# Altium PCB laser_board.PcbDoc (part 2 of 2)
Units mil, origin at the board's own origin, x right, y up, seen from the top; angles counter-clockwise.
Board outline 2420 x 3330 mil, 4 copper layers (Top Layer, Mid Layer 1, Mid Layer 2, Bottom Layer), stack 61.811 mil thick; 141 components, 94 nets, 491 pads, 219 vias.
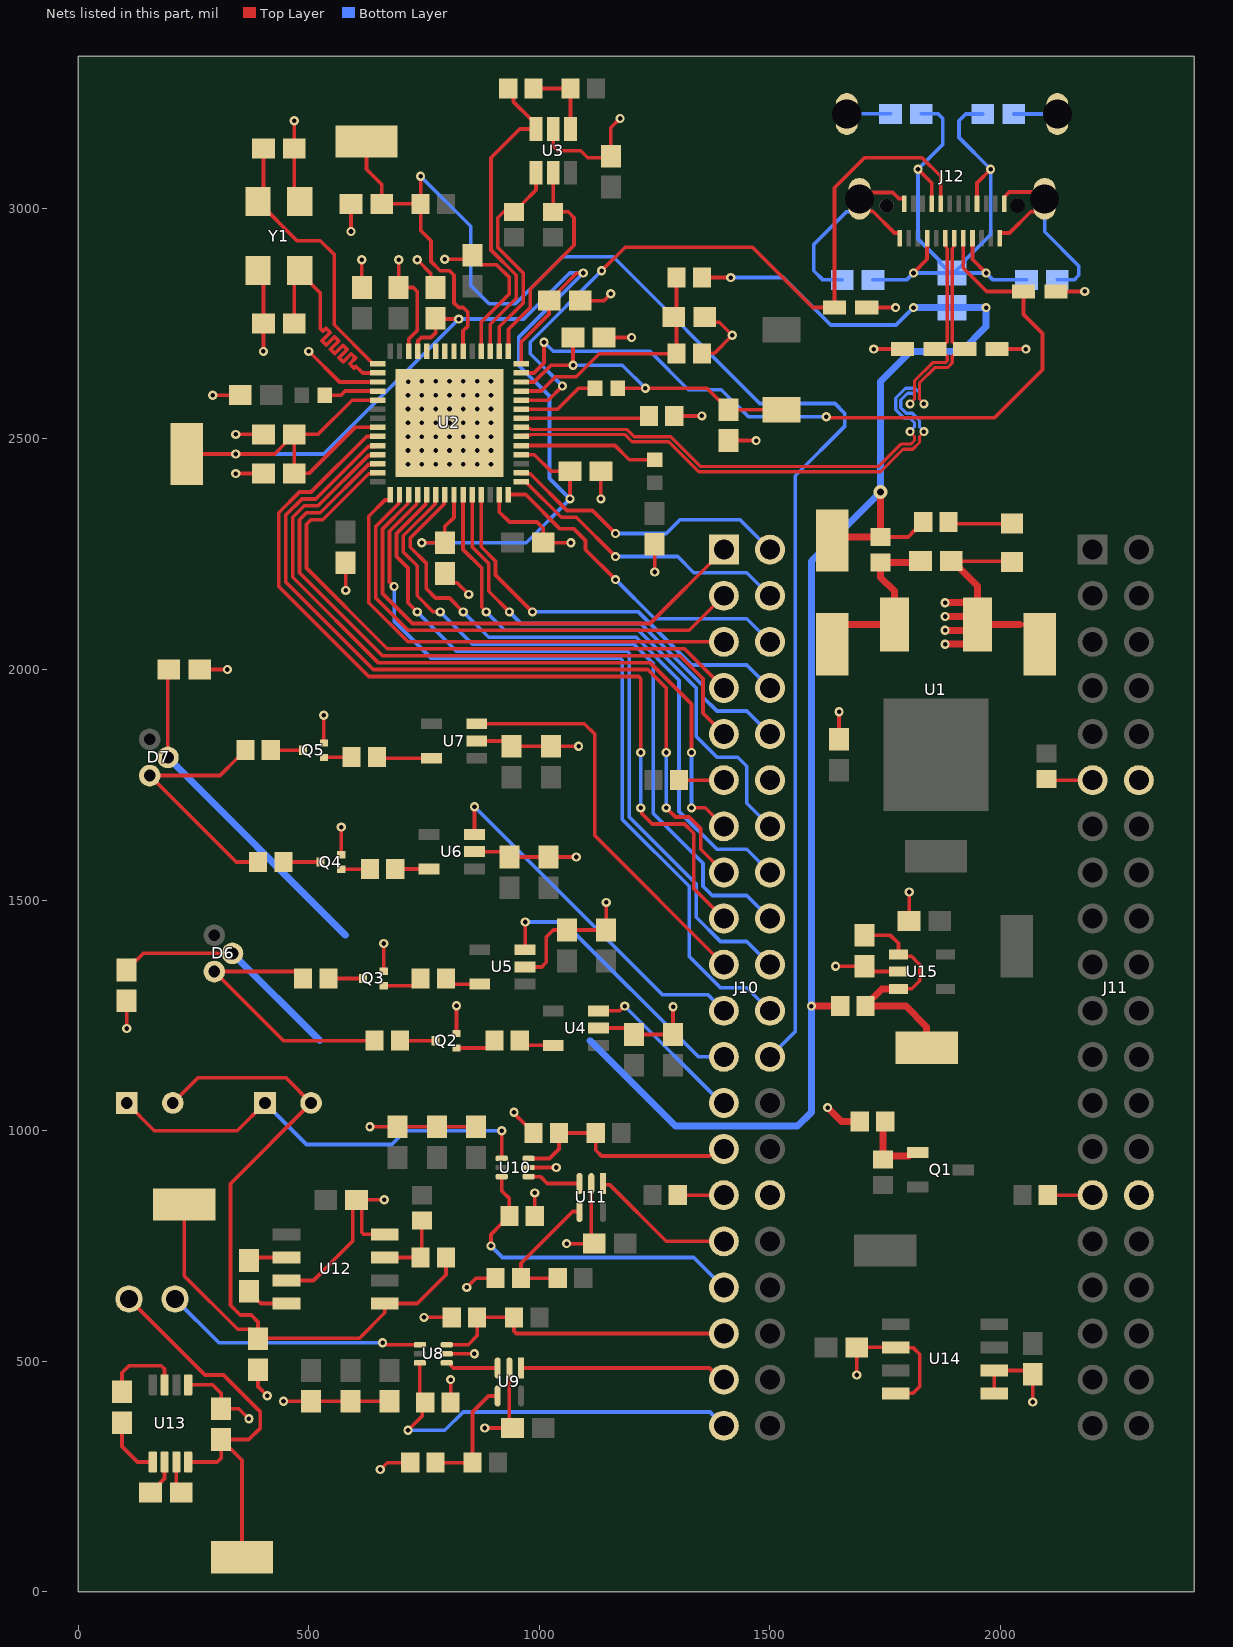
[diagram p4: the nets of this part, all layers, seen from the top]

## Via types
v1: diameter 20, hole 10, Top Layer to Bottom Layer, 218 vias
v2: diameter 30, hole 15, Top Layer to Bottom Layer, 1 vias

## Nets (pads, with @x,y where several pads share a name; then routed paths per layer and width w, separated by ;. In a path a pad name is that pad's centre, name@x,y a point inside that pad or via, vN(x,y) a via of type N, cw(c..) or ccw(c..) an arc to the next point about the centre after c; other vN are vias at no path point) (continued)
9V: C33.1 C38.1 D6.2 D7.3 J2.1 L1.2 R1.1 R2.1 R3.1 R7.1 | length 4835.2
  Top Layer w8: C33.1@105,1348.46 105,1351.42 122.65,1369.07 125.61,1369.07 140.91,1384.37 D6.2@334.37,1384.37 ; C38.1@186.93,2005 194.37,1997.56 D7.3@194.37,1809.37 ; R7.1@1352.56,2850 v1(1415.1,2850) ; J2.1@1635,2280 J2.1@1642.56,2287.56 ; R1.1@1740,2287.56 1800,2287.56 1814.79,2302.35 1816.76,2302.35 1832.44,2318.03 R2.1@1832.44,2320
  Top Layer w15: v1(1589.9,1270) R3.1@1652.44,1270 ; J2.1@1642.56,2287.56 R1.1@1740,2287.56 v2(1740,2385)
  Bottom Layer w8: v1(1415.1,2850) 1529,2850 1632,2747 1773.34,2747 v1(1811.34,2785)
  Bottom Layer w15: D7.3@194.37,1809.37 580,1423.74 ; D6.2@334.37,1384.37 523.74,1195 ; 1110,1195 1295,1010 1560,1010 1589.9,1039.9 v1(1589.9,1270) 1589.9,2234.9 v2(1740,2385) 1740,2625 1805,2690 1915,2690 1968.82,2743.82 v1(1968.82,2785) L1.2@1898.94,2785 ; v1(1811.34,2785) L1.2@1891.06,2785
-2V5: C53.2 D9.2 D10.2 J15.1 R37.1 U12.5 | length 1852.2
  Top Layer w8: D9.2@205,1060 260,1115 450,1115 D10.2@505,1060 330,885 330,621.54 351.54,600 375,600 390,585 C53.2@390,551.42 ; J15.1@230,840 230,685 345.93,569.07 372.35,569.07 C53.2@390,551.42 ; C53.2@390,548.46 C53.2@390,550 ; R37.1@797.56,725 797.56,687.56 735,625 U12.5@665,625 664.89,624.89 664.89,604.89 610,550 C53.2@390,550 ; C53.2@390,550 C53.2@390,551.42
-10V: C55.2 D8.1 J14.1 U13.4 | length 904.5
  Top Layer w8: D8.1@110,635 275,470 315,470 395,390 395,355 370,330 C55.2@310,330 C55.2@310,327.05 ; U13.4@238.39,281.34 301.34,281.34 310,290 C55.2@310,327.05 ; J14.1@355,75 355,285 330.61,309.39 327.65,309.39 C55.2@310,327.05
ACBUS0: J10.22 U2.32 | length 1760.4
  Top Layer w8: v1(685,2180) 675,2190 675,2300 734.2,2359.2 734.2,2377.58 U2.32@736.1,2379.49
  Bottom Layer w8: v1(685,2180) 685,2105 765,2025 1175.31,2025 1180,2020.31 1180,1675 1325,1530 1325,1377.75 1392.75,1310 1450,1310 J10.22@1500,1260
ACBUS1: J10.20 U2.33 | length 1632.7
  Top Layer w8: v1(735,2125) 715,2145 715,2220 690,2245 690,2295 753.88,2358.88 753.88,2377.58 U2.33@755.79,2379.49
  Bottom Layer w8: v1(735,2125) 820,2040 1190.31,2040 1195,2035.31 1195,1680 1340,1535 1340,1462.75 1392.75,1410 1450,1410 J10.20@1500,1360
ACBUS2: J10.18 U2.34 | length 1535.7
  Top Layer w8: U2.34@775.47,2379.49 773.57,2377.58 773.57,2358.57 705,2290 705,2255 735,2225 735,2160 770,2125 v1(785,2125)
  Bottom Layer w8: v1(785,2125) 855,2055 1205,2055 1247,2013 1247,1688 1355,1580 1355,1530 1375,1510 1450,1510 J10.18@1500,1460
ACBUS3: J10.16 U2.35 | length 1416.8
  Top Layer w8: U2.35@795.16,2379.49 793.25,2377.58 793.25,2358.25 720,2285 720,2265 755,2230 755,2175 775,2155 805,2155 v1(835,2125)
  Bottom Layer w8: v1(835,2125) 890,2070 1210,2070 1303,1977 1303,1692 1385,1610 1450,1610 J10.16@1500,1560
ACBUS4: J10.14 U2.37 | length 1191.4
  Top Layer w8: U2.37@834.53,2379.49 834.53,2260.47 875,2220 875,2135 v1(885,2125)
  Bottom Layer w8: v1(885,2125) 925,2085 1215,2085 1340,1960 1340,1855 1385,1810 1430,1810 1450,1790 1450,1710 J10.14@1500,1660
ACBUS5: J10.10 U2.38 | length 977.4
  Top Layer w8: U2.38@854.21,2379.49 854.21,2265.79 890,2230 890,2170 v1(935,2125)
  Bottom Layer w8: v1(935,2125) 960,2100 1220,2100 1355,1965 1355,1940 1385,1910 1450,1910 J10.10@1500,1860
ACBUS6: J10.8 U2.39 | length 883.9
  Top Layer w8: U2.39@873.9,2379.49 873.9,2266.1 905,2235 905,2205 v1(985,2125)
  Bottom Layer w8: v1(985,2125) 1215,2125 1330,2010 1450,2010 J10.8@1500,1960
ACBUS7: J10.6 U2.42 | length 711.1
  Top Layer w8: U2.42@932.95,2379.49 970.51,2379.49 1045,2305 1075,2305 1100,2280 1100,2260 v1(1165,2195)
  Bottom Layer w8: v1(1165,2195) 1250,2110 1450,2110 J10.6@1500,2060
ACBUS8: J10.4 U2.43 | length 642.4
  Top Layer w8: U2.43@960.51,2407.05 971.34,2407.05 973.24,2405.14 973.24,2404.21 1047.46,2330 1080,2330 v1(1165,2245)
  Bottom Layer w8: v1(1165,2245) 1300,2245 1335,2210 1450,2210 J10.4@1500,2160
ACBUS9: J10.2 U2.44 | length 633.4
  Top Layer w8: U2.44@960.51,2426.73 962.42,2424.83 980.17,2424.83 1060,2345 1115,2345 v1(1165,2295)
  Bottom Layer w8: v1(1165,2295) 1275,2295 1305,2325 1435,2325 J10.2@1500,2260
ADBUS0: J10.17 U2.23 | length 1946.6
  Top Layer w8: U2.23@649.49,2505.47 625.47,2505.47 505,2385 480,2385 435,2340 435,2180 630,1985 1215.31,1985 1220,1980.31 v1(1220,1820) ; v1(1220,1700) 1222.3,1697.7 1222.3,1687.7 1245,1665 1315,1665 1335,1645 1335,1525 J10.17@1400,1460
  Bottom Layer w8: v1(1220,1700) v1(1220,1820)
ADBUS1: J10.15 U2.24 | length 1796.5
  Top Layer w8: U2.24@649.49,2485.79 647.58,2483.88 628.88,2483.88 515,2370 485,2370 450,2335 450,2190 640,2000 1235,2000 1275,1960 v1(1275,1820) ; v1@1275.06,1699.94 1295,1680 1325,1680 1350,1655 1350,1610 J10.15@1400,1560
  Bottom Layer w8: v1(1275,1700) v1(1275,1820)
ADBUS2: J10.13 U2.25 | length 1661.3
  Top Layer w8: U2.25@649.49,2466.1 647.58,2464.2 629.2,2464.2 520,2355 490,2355 465,2330 465,2200 650,2015 1240,2015 1330,1925 v1(1330,1820) ; v1(1330,1700) 1360,1700 J10.13@1400,1660
  Bottom Layer w8: v1(1330,1700) v1(1330,1820)
ADBUS3: J10.9 U2.26 | length 1443.7
  Top Layer w8: U2.26@649.49,2446.42 647.58,2444.51 629.51,2444.51 525,2340 495,2340 480,2325 480,2210 660,2030 1305,2030 1355,1980 1355,1905 J10.9@1400,1860
ADBUS4: J10.7 U2.27 | length 1308.5
  Top Layer w8: U2.27@649.49,2426.73 647.58,2424.83 629.83,2424.83 530,2325 505,2325 495,2315 495,2220 670,2045 1315,2045 J10.7@1400,1960
ADBUS5: J10.5 U2.29 | length 1065
  Top Layer w8: U2.29@677.05,2379.49 677.05,2369.59 675.14,2367.68 665.24,2367.68 630,2332.44 630,2145 715,2060 J10.5@1400,2060
ADBUS6: J10.3 U2.30 | length 1061
  Top Layer w8: U2.30@696.73,2379.49 694.83,2377.58 694.83,2359.83 645,2310 645,2155 715,2085 1325,2085 J10.3@1400,2160
ADBUS7: J10.1 U2.31 | length 1071.1
  Top Layer w8: U2.31@716.42,2379.49 714.51,2377.58 714.51,2359.51 660,2305 660,2165 725,2100 1240,2100 J10.1@1400,2260
D_N: D5.1 J12.A7 U2.48 | length 1557
  Top Layer w6.89: U2.48@960.51,2505.47 962.97,2507.93 980.54,2507.93 982.48,2509.87 1185.13,2509.87 1200.89,2494.11 1280.49,2494.11 1345.49,2429.11 1739.81,2429.11 1788.59,2477.89 1810.04,2477.89 1824.44,2492.29 1824.44,2505.41 1834,2514.96 v1(1834,2516) ; v1(1804,2576) 1804,2577.04 1813.56,2586.59 1813.56,2626.18 1853.05,2665.67 1880.6,2665.67 1884.63,2669.7 1884.63,2679.45 1880.6,2683.48 1869.13,2683.48 D5.1@1857.62,2695 1869.13,2706.52 1880.6,2706.52 1884.63,2710.55 1884.63,2742.11 1884.63,2912.99 1881.79,2915.84 1881.79,2933.48 J12.A7@1880.24,2935.04
  Bottom Layer w6.89: v1(1804,2576) 1804,2577.04 1813.56,2586.59 1813.56,2595.2 1809.52,2599.24 1798.48,2599.24 1783.66,2584.42 1783.66,2567.58 1795.58,2555.66 1808.49,2555.66 1824.44,2539.71 1824.44,2526.59 1834,2517.04 v1(1834,2516)
D_P: D4.1 J12.A6 U2.49 | length 1575
  Top Layer w6.89: U2.49@960.51,2525.16 962.97,2522.7 980.54,2522.7 982.48,2520.76 1189.64,2520.76 1205.4,2505 1285,2505 1350,2440 1735.3,2440 1784.07,2488.78 1805.53,2488.78 1813.56,2496.8 1813.56,2505.41 1804,2514.96 v1(1804,2516) ; v1(1834,2576) 1834,2577.04 1824.44,2586.59 1824.44,2621.67 1857.56,2654.78 1885.11,2654.78 1895.52,2665.19 1895.52,2679.45 1899.56,2683.48 1911.02,2683.48 D4.1@1922.54,2695 1911.02,2706.52 1899.56,2706.52 1895.52,2710.55 1895.52,2737.6 1895.52,2912.99 1898.37,2915.84 1898.37,2933.48 J12.A6@1899.92,2935.04
  Bottom Layer w6.89: v1(1804,2516) 1804,2517.04 1813.56,2526.59 1813.56,2535.2 1803.98,2544.78 1791.07,2544.78 1772.77,2563.07 1772.77,2588.93 1793.97,2610.13 1814.03,2610.13 1824.44,2599.71 1824.44,2586.59 1834,2577.04 v1(1834,2576)
EEPROM_CLK: R12.2 U2.2 U3.4 | length 480
  Top Layer w8: U2.2@913.27,2690.51 913.27,2743.27 965,2795 965,2860 910,2915 910,2980 922.56,2992.56 R12.2@945,2992.56 946.97,2992.56 962.65,3008.24 962.65,3010.21 992.6,3040.16 U3.4@992.6,3077.76
EEPROM_CS: R13.2 U2.1 U3.5 | length 483.7
  Top Layer w8: U2.1@932.95,2690.51 932.95,2737.95 980,2785 980,2825 1075,2920 1075,2980 1062.44,2992.56 R13.2@1030,2992.56 U3.5@1030,3077.76
EEPROM_DI: R9.1 U2.3 U3.3 | length 702.7
  Top Layer w8: U2.3@893.58,2690.51 893.58,2748.58 950,2805 950,2855 895,2910 895,3110 957.24,3172.24 U3.3@992.6,3172.24 992.6,3184.06 982.82,3193.83 981.17,3193.83 943.97,3231.03 943.97,3248.47 R9.1@932.44,3260
EEPROM_DO: R9.2 R11.2 U3.1 | length 167.6
  Top Layer w8: R9.2@987.56,3260 R11.2@1067.44,3260 R11.2@1067.44,3260 U3.1@1067.4,3172.24
GND: C1.1 C2.1 C3.1 C4.1 C5.2 C6.2 C7.2 C8.2 C9.2 C10.1 C11.1 C12.2 C13.2 C14.2 C15.2 C16.2 C17.2 C20.2 C21.2 C22.2 C23.2 C24.2 C25.2 C28.2 C29.2 C30.2 C31.2 C32.2 C33.2 C34.1 C35.1 C36.1 C37.1 C38.2 C39.1 C40.1 C41.1 C42.1 C43.1 C44.1 C45.1 C46.1 C47.1 C48.1 C49.1 C50.1 C51.1 C53.1 C55.1 C57.1 C58.1 D2.2 D3.2 D4.2 D5.2 J4.1 J10.12 J10.30 J11.12 J11.30 J12.1 J12.2 J12.3 J12.4 J12.A1 J12.A12 J12.B1 J12.B12 LED1.1 Q2.2 Q3.2 Q4.2 Q5.2 R5.1 R6.1 R8.2 R27.1 R29.1 R30.1 R32.1 R34.1 R35.1 U1.1 U2.4 U2.12 U2.17 U2.41 U2.57 U3.2 U4.2 U5.2 U6.2 U7.2 U8.5 U9.2 U10.5 U11.2 U12.3 U12.8 U13.5 U14.2 U14.4 U14.5 U14.6 U15.2 Y1.2 Y1.4 | length 9192.1
  Top Layer w8: v1(105,1221.54) C33.2@105,1281.54 ; U13.5@238.39,448.66 291.34,448.66 310,430 C55.1@310,396.93 348.07,396.93 v1(370,375) ; C38.2@263.46,2000 v1(323.46,2000) ; v1(291.54,2595) C28.2@351.54,2595 ; v1(341.54,2425) C14.2@401.54,2425 ; v1(341.54,2510) C20.2@401.54,2510 ; Y1.2@389.72,2865.2 401.54,2853.39 C12.2@401.54,2750 v1(401.54,2690) ; C53.1@390,481.54 390,445 v1(410,425) ; v1(445,413.07) C44.1@505,413.07 C45.1@590,413.07 C46.1@675,413.07 ; U12.3@451.46,675 510,675 595,760 595,841.54 C51.1@603.46,850 ; v1(468.47,3190) C11.1@468.46,3130 468.46,3026.61 Y1.4@480.28,3014.8 ; v1(500,2690) 566.42,2623.58 U2.17@649.49,2623.58 ; Q5.2@532.64,1840.75 v1(532.64,1900.75) ; Q4.2@570.28,1598.25 v1(570.28,1658.25) ; v1(580,2171.54) C24.2@580,2231.54 ; v1(591.54,2950) C9.2@591.54,3010 ; C23.2@615,2828.46 v1(615,2888.46) ; v1(632.56,1008.46) C48.1@692.56,1008.46 C50.1@862.56,1008.46 ; v1(655,265) 670,280 R30.1@720,280 ; Q3.2@662.64,1345.75 v1(662.64,1405.75) ; v1(663.46,850) C51.1@603.46,850 ; U12.8@665,775 619.69,775 615,779.69 615,838.46 C51.1@603.46,850 ; v1(695,2888.46) C22.2@695,2828.46 726.54,2828.46 735,2820 735,2735 716.42,2716.42 U2.12@716.42,2690.51 ; v1(735,2888.46) 764.62,2858.85 764.62,2838.85 C13.2@775,2828.46 ; v1(749.88,595) R27.1@809.88,595 ; C15.2@795,2208.07 795,2205.57 812.65,2187.92 822.08,2187.92 v1(847,2163) ; v1(795,2890) 846.54,2890 C21.2@855,2898.46 855,2895.51 872.65,2877.86 907.14,2877.86 935,2850 935,2815 873.9,2753.9 U2.4@873.9,2690.51 ; U8.5@799.13,516 v1(859.13,516) ; R29.1@807.56,410 v1(807.56,460) ; Q2.2@820.28,1210.75 v1(820.28,1270.75) ; v1(842.56,660) 862.56,680 R35.1@905,680 ; U6.2@859.21,1605 923.46,1605 C40.1@935,1593.46 C39.1@1020,1593.46 v1(1080,1593.46) ; U7.2@864.21,1845 928.46,1845 C42.1@940,1833.46 C41.1@1025,1833.46 v1(1085,1833.46) ; v1(881.54,355) C43.1@941.54,355 935,361.54 U9.2@935,485.32 ; U2.41@913.27,2379.49 913.27,2341.73 935,2320 995,2320 1008.46,2306.54 C25.2@1008.46,2275 v1(1068.46,2275) ; v1(945,1040) 945,1037.44 969.79,1012.65 971.76,1012.65 987.44,996.97 R32.1@987.44,995 ; U5.2@969.21,1355 1005,1355 1015,1365 1015,1420 1030,1435 C37.1@1060,1435 C36.1@1145,1435 v1(1145,1495) ; U10.5@976.69,920 v1(1036.69,920) ; R34.1@990.12,815 v1(990.12,865) ; U3.2@1030,3172.24 1030,3135 1040,3125 1090,3125 1105,3110 1151.54,3110 C10.1@1155,3113.46 1155,3175 v1(1175,3195) ; v1(1059.09,755) C47.1@1119.09,755 1112.56,761.54 U11.2@1112.56,885.32 ; C17.2@1088.46,2800 1140,2800 v1(1155,2815) ; U4.2@1128.43,1222.4 1191.06,1222.4 C35.1@1205,1208.46 C34.1@1290,1208.46 v1(1290,1268.46) ; v1(1133.46,2370) C16.2@1133.46,2430 ; C8.2@1140,2720 v1(1200,2720) ; v1(1250,2211.54) C6.2@1250,2271.54 ; R6.1@1292.56,2550 v1(1352.56,2550) ; R8.2@1352.56,2685 1353.65,2686.09 1379.56,2686.09 v1(1418.46,2725) 1390.38,2753.08 1370.38,2753.08 C7.2@1358.46,2765 ; C5.2@1410,2496.54 v1(1470,2496.54) ; v1(1642.46,1356.54) C3.1@1705,1356.54 1716.54,1345 U15.2@1778.82,1345 ; C2.1@1650,1848.46 v1(1650,1908.46) ; v1(1688.46,470) C57.1@1688.46,530 U14.2@1773.23,530 1773.79,529.44 1810.56,529.44 1825,515 1825,445 1810.56,430.56 1773.79,430.56 U14.4@1773.23,430 ; D2.2@1710,2785 v1(1772.54,2785) ; v1(1725,2695) D5.2@1787.54,2695 ; J12.A12@1781.81,2935.04 1781.81,2945.88 1780.81,2946.88 1769.97,2946.88 1723.11,2993.74 1712.34,2993.74 1694.21,3011.86 J12.2@1694.21,3020.87 1707.86,3034.51 1766.3,3034.51 1779.47,3021.34 1790.65,3021.34 1791.65,3020.34 J12.B1@1791.65,3009.84 ; C4.1@1801.54,1455 C4.1@1802.35,1455 ; v1(1802.35,1517.54) C4.1@1802.35,1455 ; C4.1@1820,1437.35 C4.1@1802.35,1455 ; C1.1@1893.46,2235 1896.42,2235 2023.66,2235 LED1.1@2025,2233.66 ; U1.1@1922.46,2055 1949.96,2082.5 U1.1@1949.96,2097.68 ; U1.1@1932.64,2115 U1.1@1949.96,2097.68 ; U1.1@1937.28,2085 U1.1@1949.96,2097.68 ; U1.1@1944.53,2145 U1.1@1949.96,2139.57 ; U14.5@1986.77,430 U14.6@1986.77,480 2061.54,480 C58.1@2070,471.54 v1(2070,411.54) ; D4.2@1992.62,2695 v1(2055.16,2695) ; J12.A1@1998.35,2935.04 1998.35,2945.88 1999.35,2946.88 2019.84,2946.88 2065.8,2992.85 2077.66,2992.85 2095.79,3010.98 J12.1@2095.79,3020.87 2080.96,3035.69 2019.25,3035.69 2009.19,3025.63 2009.19,3023.56 2008.19,3022.56 J12.B12@2008.19,3009.84 ; 2042.32,2097.68 2042.65,2097.35 2053.96,2097.35 2085,2066.31 J4.1@2085,2055 ; D3.2@2120,2820 v1(2182.54,2820)
  Top Layer w15: v1(1625,1050) 1655,1020 R5.1@1694.88,1020 ; v1(1880,2055) U1.1@1922.46,2055 ; v1(1880,2085) U1.1@1937.28,2085 ; v1(1880,2115) U1.1@1932.64,2115 ; v1(1880,2145) U1.1@1944.53,2145 ; C1.1@1896.42,2235 1949.96,2181.46 1949.96,2139.57 U1.1@1949.96,2097.68 2042.32,2097.68
  Bottom Layer w8: C30.2@1656.69,2845 1615,2845 1595,2865 1595,2921.65 1666.2,2992.85 1676.08,2992.85 1694.21,3010.98 J12.2@1694.21,3020.87 ; J12.4@1666.65,3204.72 1666.93,3205 C29.2@1761.54,3205 ; C31.2@2028.46,3204.72 J12.3@2123.35,3204.72 ; J12.1@2095.79,3020.87 2095.79,2949.21 2170,2875 2170,2855 2160,2845 C32.2@2123.46,2845
  other v1: 715,2445 745,2445 775,2445 805,2445 835,2445 865,2445 895,2445 715,2475 745,2475 775,2475 805,2475 835,2475 865,2475 895,2475 715,2505 745,2505 775,2505 805,2505 835,2505 865,2505 895,2505 715,2535 745,2535 775,2535 805,2535 835,2535 865,2535 895,2535 715,2565 745,2565 775,2565 805,2565 835,2565 865,2565 895,2565 715,2595 745,2595 775,2595 805,2595 835,2595 865,2595 895,2595 715.94,2624.07 745,2625 775,2625 805,2625 835,2625 865,2625 895,2625
GPIO0: U2.7
GPIO1: U2.8
GPIO2: U2.9
GPIO3: U2.10
GREEN_nAMB: J10.27 R31.1 R32.2 U10.6 | length 515.6
  Top Layer w8: U10.6@976.69,939.68 1022.24,939.68 1042.56,960 R32.2@1042.56,995 R31.1@1122.44,995 1122.44,957.56 1135,945 1369.59,945 1384.59,960 J10.27@1400,960
GREEN_nEN: J10.33 R34.2 U10.3 | length 717.2
  Top Layer w8: v1(895,750) 895,775 917.35,797.35 919.31,797.35 935,813.03 R34.2@935,815 935,852.56 918.43,869.13 U10.3@918.43,900.32
  Bottom Layer w8: v1(895,750) 920,725 1335,725 J10.33@1400,660
GREEN_RX: J10.31 U11.1 | length 313.8
  Top Layer w8: U11.1@1138.15,885.32 1140.54,882.93 1152.07,882.93 1275,760 J10.31@1400,760
GREEN_TX_1: J10.25 U4.3 | length 362.8
  Top Layer w8: U4.3@1128.43,1259.8 1174.31,1259.8 1184.51,1270 v1(1185,1270)
  Bottom Layer w8: v1(1185,1270) 1395,1060 J10.25@1400,1060
GREEN_TX_2: J10.23 U5.3 | length 611.9
  Top Layer w8: U5.3@969.21,1392.4 v1(969.21,1452.4)
  Bottom Layer w8: v1(969.21,1452.4) 1052.6,1452.4 1345,1160 J10.23@1400,1160
IR_nAMB: J10.35 R26.1 R27.2 U8.6 | length 680.9
  Top Layer w8: U8.6@799.13,535.68 845.69,535.68 865,555 R27.2@865,595 R26.1@945,595 945,565 950,560 J10.35@1400,560
IR_nEN: J10.39 R29.2 U8.3 | length 880.6
  Top Layer w8: v1(715,350) 746.03,381.03 746.03,403.59 R29.2@752.44,410 740.87,421.57 U8.3@740.87,496.32
  Bottom Layer w8: v1(715,350) 795,350 835,390 1370,390 J10.39@1400,360
IR_RX: J10.37 U9.1 | length 449.9
  Top Layer w8: U9.1@960.59,485.32 1369.04,485.32 1394.36,460 J10.37@1400,460
IR_TX_1: J10.21 U6.3 | length 784
  Top Layer w8: U6.3@859.21,1642.4 v1(859.21,1702.4)
  Bottom Layer w8: v1(859.21,1702.4) 1266.61,1295 1365,1295 J10.21@1400,1260
IR_TX_2: J10.19 U7.3 | length 881
  Top Layer w8: U7.3@864.21,1882.4 1097.6,1882.4 1120,1860 1120,1640 J10.19@1400,1360
NetC1_2: C1.2 J1.1 R1.2 U1.3 | length 431
  Top Layer w8: J1.1@1630,2100 J1.1@1632.32,2097.68 ; J1.1@1635,2055 1635,2066.31 J1.1@1666.04,2097.35 ; C1.2@1823.98,2232.44 C1.2@1826.54,2235
  Top Layer w15: J1.1@1632.32,2097.68 U1.3@1770.04,2097.68 1770.04,2169.96 1740,2200 R1.2@1740,2232.44 C1.2@1823.98,2232.44
NetC3_2: C3.2 J5.1 R3.2 U15.1 U15.3 | length 532.3
  Top Layer w8: C3.2@1705,1423.46 1761.54,1423.46 1778.82,1406.18 U15.1@1778.82,1382.4 1783.02,1378.2 1806.8,1378.2 1825,1360 1825,1325 1807.6,1307.6 U15.3@1778.82,1307.6
  Top Layer w15: R3.2@1706.28,1271.28 1742.6,1307.6 U15.3@1778.82,1307.6 ; R3.2@1707.56,1270 1795,1270 1840,1225 J5.1@1840,1180
NetC7_1: C7.1 R7.2 R8.1 U2.53 | length 540.4
  Top Layer w8: U2.53@960.51,2603.9 1003.9,2603.9 1035,2635 1080,2635 1130,2685 R8.1@1297.44,2685 1297.44,2759.09 C7.1@1291.54,2765 1297.44,2770.91 R7.2@1297.44,2850
NetC11_2: C11.2 U2.15 Y1.1 | length 615.4
  Top Layer w8: C11.2@401.54,3130 401.54,3026.61 Y1.1@389.72,3014.8 474.53,2930 525,2930 555,2900 555,2747.54 636.76,2665.79 636.76,2664.86 638.66,2662.95 U2.15@649.49,2662.95
NetC12_1: C12.1 U2.16 Y1.3 | length 614.9
  Top Layer w8: C12.1@468.46,2750 468.46,2853.39 Y1.3@480.28,2865.2 480.28,2861.26 525,2816.54 525,2745 525,2739.34 530.66,2733.69 537.15,2740.18 546.34,2730.99 528.49,2713.13 537.68,2703.94 555.54,2721.8 564.73,2712.6 546.87,2694.75 556.06,2685.55 573.92,2703.41 583.11,2694.22 565.26,2676.36 574.45,2667.17 592.31,2685.03 601.5,2675.83 588.62,2662.95 597.81,2653.76 602.02,2657.98 614.93,2645.07 616.73,2643.27 U2.16@649.49,2643.27
NetC29_1: C29.1 C30.1 C31.1 C32.1 J12.A4 J12.A9 J12.B4 J12.B9 L1.1 | length 1580.4
  Top Layer w8: v1(1811.34,2860) 1840.87,2889.53 J12.A9@1840.87,2935.04 ; v1(1821.18,3084.88) 1850.71,3055.35 J12.B4@1850.71,3009.84 ; J12.A4@1939.29,2935.04 1939.29,2889.53 v1(1968.82,2860) ; J12.B9@1949.13,3009.84 1949.13,3055.35 v1(1978.66,3084.88)
  Bottom Layer w8: C30.1@1723.62,2845 1796.34,2845 v1(1811.34,2860) L1.1@1891.06,2860 ; C29.1@1828.46,3205 1865,3205 1875,3195 1875,3138.7 v1(1821.18,3084.88) 1821.18,2933.82 1867.7,2887.3 1867.7,2883.36 L1.1@1891.06,2860 ; C31.1@1961.54,3204.72 1924.72,3204.72 1910,3190 1910,3153.54 v1(1978.66,3084.88) 1978.66,2943.66 1922.3,2887.3 1922.3,2883.36 L1.1@1898.94,2860 ; C32.1@2056.54,2845 1983.82,2845 v1(1968.82,2860) L1.1@1898.94,2860 ; L1.1@1891.06,2860 L1.1@1898.94,2860
NetC52_1: C52.1 U12.4 | length 94.2
  Top Layer w8: C52.1@370,651.54 370,648.58 387.65,630.93 390.61,630.93 396.54,625 U12.4@451.46,625
NetC52_2: C52.2 U12.2 | length 84.2
  Top Layer w8: C52.2@370,718.46 376.54,725 U12.2@451.46,725
NetC54_1: C54.1 U13.2 | length 80.8
  Top Layer w8: C54.1@156.54,215 159.49,215 177.14,232.65 177.14,235.61 187.2,245.67 U13.2@187.2,281.34
NetC54_2: C54.2 U13.3 | length 70.8
  Top Layer w8: U13.3@212.8,281.34 212.8,225.67 C54.2@223.46,215
NetC56_1: C56.1 U13.1 | length 132.1
  Top Layer w8: C56.1@95,366.54 95,315 128.66,281.34 U13.1@161.61,281.34
NetC56_2: C56.2 U13.7 | length 177.1
  Top Layer w8: C56.2@95,433.46 95,475 110,490 180,490 187.2,482.8 U13.7@187.2,448.66
NetD6_1: D6.1 R18.2 R19.2 | length 608.2
  Top Layer w8: R19.2@487.44,1330 472.44,1345 D6.1@295,1345 445,1195 R18.2@642.44,1195
NetD7_1: D7.1 R22.2 R23.2 | length 543.9
  Top Layer w8: R23.2@362.44,1825 362.44,1823.03 346.76,1807.35 344.79,1807.35 307.44,1770 D7.1@155,1770 342.5,1582.5 R22.2@389.88,1582.5
NetD8_2: D8.2 U8.1 | length 572
  Top Layer w8: v1(660,540) 663.25,540 667.56,535.68 U8.1@740.87,535.68
  Bottom Layer w8: D8.2@210,635 305,540 v1(660,540)
NetD9_1: D9.1 D10.1 U10.1 | length 972.7
  Top Layer w8: D9.1@105,1060 165,1000 345,1000 D10.1@405,1060 ; U10.1@918.43,939.68 v1(918.43,999.68)
  Bottom Layer w8: D10.1@405,1060 495,970 680,970 709.68,999.68 v1(918.43,999.68)
NetFB1_1: FB1.1 U2.51 | length 179
  Top Layer w8: U2.51@960.51,2564.53 1039.53,2564.53 1085,2610 FB1.1@1120.7,2610
NetFB3_2: FB3.2 U2.18 | length 118.9
  Top Layer w8: FB3.2@534.3,2595 570,2595 578.9,2603.9 U2.18@649.49,2603.9
NetJ10_11: J10.11 R14.2 | length 97.4
  Top Layer w8: R14.2@1302.56,1760 J10.11@1400,1760
NetJ10_29: J10.29 R16.2 | length 99.9
  Top Layer w8: R16.2@1300.12,860 J10.29@1400,860
NetJ11_11: J11.11 R15.2 | length 100
  Top Layer w8: R15.2@2100,1760 J11.11@2200,1760
NetJ11_29: J11.29 R17.2 | length 97.4
  Top Layer w8: R17.2@2102.56,860 J11.29@2200,860
NetLED1_2: LED1.2 R2.2 | length 139
  Top Layer w8: R2.2@1887.56,2320 1891.22,2316.34 LED1.2@2025,2316.34
NetQ1_1: Q1.1 R4.1 R5.2 | length 159
  Top Layer w8: R5.2@1745,1015 R5.2@1750,1020
  Top Layer w15: R4.1@1745,937.56 1752.42,944.98 1801.56,944.98 1808.98,952.4 Q1.1@1820.79,952.4 ; R4.1@1745,944.98 R5.2@1745,1015
NetQ2_1: Q2.1 R20.2 | length 88.7
  Top Layer w8: Q2.1@820.28,1179.25 886.76,1179.25 902.44,1194.94 R20.2@902.44,1195
NetQ2_3: Q2.3 R18.1 | length 77.4
  Top Layer w8: R18.1@697.56,1195 Q2.3@775,1195
NetQ3_1: Q3.1 R21.2 | length 86.4
  Top Layer w8: Q3.1@662.64,1314.25 726.76,1314.25 742.44,1329.94 R21.2@742.44,1330
NetQ3_3: Q3.3 R19.1 | length 74.8
  Top Layer w8: R19.1@542.56,1330 Q3.3@617.36,1330
NetQ4_1: Q4.1 R24.2 | length 62.5
  Top Layer w8: Q4.1@570.28,1566.75 631.69,1566.75 R24.2@632.44,1567.5
NetQ4_3: Q4.3 R22.1 | length 80
  Top Layer w8: R22.1@445,1582.5 Q4.3@525,1582.5
NetQ5_1: Q5.1 R25.2 | length 60.1
  Top Layer w8: Q5.1@532.64,1809.25 533.39,1810 R25.2@592.44,1810
NetQ5_3: Q5.3 R23.1 | length 69.8
  Top Layer w8: R23.1@417.56,1825 Q5.3@487.36,1825
NetR6_2: R6.2 U2.50 | length 279.1
  Top Layer w8: U2.50@960.51,2544.84 1232.28,2544.84 R6.2@1237.44,2550
NetR20_1: R20.1 U4.5 | length 76.6
  Top Layer w8: R20.1@957.56,1195 967.56,1185 U4.5@1030,1185
NetR21_1: R21.1 U5.5 | length 78.4
  Top Layer w8: R21.1@797.56,1330 809.96,1317.6 U5.5@870.79,1317.6
NetR24_1: R24.1 U6.5 | length 73.3
  Top Layer w8: R24.1@687.56,1567.5 760.69,1567.5 U6.5@760.79,1567.6
NetR25_1: R25.1 U7.5 | length 119.2
  Top Layer w8: R25.1@647.56,1810 649.96,1807.6 U7.5@765.79,1807.6
NetR28_1: R28.1 R30.2 U9.4 | length 258.7
  Top Layer w8: R30.2@775.12,280 R28.1@855,280 855,390 889.68,424.68 U9.4@909.41,424.68
NetR33_1: R33.1 R35.2 U11.4 | length 285.7
  Top Layer w8: R33.1@1040,680 R35.2@960.12,680 960.12,712.56 1072.24,824.68 U11.4@1086.97,824.68
NetR36_1: R36.1 R37.2 U12.7 | length 158.4
  Top Layer w8: U12.7@665,725 R37.2@742.44,725 745,727.56 R36.1@745,804.88
NetU8_4: U8.4 U9.3 | length 117.4
  Top Layer w8: U8.4@799.13,496.32 806.42,496.32 808.32,494.41 808.32,490.01 813.01,485.32 U9.3@909.41,485.32
NetU10_4: U10.4 U11.3 | length 116.5
  Top Layer w8: U10.4@976.69,900.32 1002.24,900.32 1017.24,885.32 U11.3@1086.97,885.32
PD1_CC1: D3.1 J12.A5 U2.55 | length 1698.3
  Top Layer w8: U2.55@960.51,2643.27 988.27,2643.27 1010,2665 v1(1010,2710) ; v1(1622,2548) 1624,2546 1987,2546 2091,2650 2091,2729 2049.92,2770.08 D3.1@2049.92,2820 1970,2820 1919.61,2870.39 J12.A5@1919.61,2935.04
  Bottom Layer w8: v1(1010,2710) 1030,2690 1240,2690 1323,2607 1394.55,2607 1453.55,2548 v1(1622,2548)
PD1_CC2: D2.1 J12.B5 U2.52 | length 1619.6
  Top Layer w8: U2.52@960.51,2584.21 1019.21,2584.21 v1(1050,2615) ; v1(1135,2865) 1186,2916 1462,2916 1593,2785 D2.1@1639.92,2785 1639.92,3044.92 1705,3110 1830,3110 1870.39,3069.61 J12.B5@1870.39,3009.84
  Bottom Layer w8: v1(1050,2615) 980,2685 980,2710 v1(1135,2865)
RESET#: C9.1 J8.1 J10.24 R10.1 U2.6 | length 3432
  Top Layer w8: J8.1@625,3145 625,3085 658.46,3051.54 C9.1@658.46,3010 R10.1@742.44,3010 ; v1(742.44,3070) R10.1@742.44,3010 ; U2.6@834.53,2690.51 834.53,2734.53 845,2745 845,2775 835,2785 825,2785 815,2795 815,2855 805,2865 785,2865 765,2885 765,2930 742.44,2952.56 R10.1@742.44,3010
  Bottom Layer w8: v1(742.44,3070) 851,2961.44 851,2833 891,2793 948,2793 1050,2895 1160,2895 1478,2577 1641,2577 1662,2556 1662,2527 1555,2420 1555,1215 J10.24@1500,1160
VCC_USB: FB2.2 U2.47 | length 302.4
  Top Layer w8: U2.47@960.51,2485.79 1164.21,2485.79 1195,2455 1249.65,2455 FB2.2@1250,2454.65
VCORE: C13.1 C14.1 C15.1 C16.1 C17.1 C20.1 J9.1 U2.11 U2.19 U2.22 U2.36 U2.46 U2.56 | length 3397.5
  Top Layer w8: J9.1@235,2467.5 v1(341.54,2467.5) 425.96,2467.5 447.86,2489.39 447.86,2492.35 465.51,2510 C20.1@468.46,2510 ; U2.22@649.49,2525.16 600.16,2525.16 500.38,2425.38 468.85,2425.38 C14.1@468.46,2425 C20.1@468.46,2510 ; U2.19@649.49,2584.21 594.21,2584.21 520,2510 C20.1@468.46,2510 ; U2.11@736.1,2690.51 736.93,2691.34 736.93,2713.29 743.63,2720 765,2720 775,2730 C13.1@775,2761.54 ; v1(745,2275) C15.1@795,2275 795,2310 814.84,2329.84 U2.36@814.84,2379.49 ; C13.1@776.42,2760 v1(825,2760) ; U2.46@960.51,2466.1 960.62,2465.99 989.01,2465.99 1025,2430 C16.1@1066.54,2430 v1(1066.53,2370) ; U2.56@960.51,2662.95 960.51,2710.51 1021.03,2771.03 1021.03,2799.5 C17.1@1021.54,2800 1024.49,2800 1042.14,2817.65 1042.14,2820.61 1080.71,2859.18 1094.18,2859.18 v1(1095,2860)
  Bottom Layer w8: v1(341.54,2467.5) 532.5,2467.5 v1(825,2760) 966,2760 1066,2860 v1(1095,2860) 955,2720 955,2660 1022,2593 1022,2414.53 v1(1066.53,2370) 971.53,2275 v1(745,2275)
VIN3V3: C5.1 C8.1 D1.1 FB1.2 U2.54 | length 740.6
  Top Layer w8: U2.54@960.51,2623.58 988.58,2623.58 1025,2660 v1@1072.39,2660 ; v1(1073.07,2660) C8.1@1073.07,2720 ; FB1.2@1170,2610 v1(1230,2610) 1363.46,2610 1389.39,2584.07 1392.35,2584.07 1410,2566.42 C5.1@1410,2563.46 1524.92,2563.46 D1.1@1525,2563.39
  Bottom Layer w8: v1(1073.07,2660) 1180,2660 v1(1230,2610)
pads on no net: "J11.3 " D6.3 D7.2 J10.26 J10.28 J10.32 J10.34 J10.36 J10.38 J10.40 J11.1 J11.2 J11.4 J11.5 J11.6 J11.7 J11.8 J11.9 J11.10 J11.13 J11.14 J11.15 J11.16 J11.17 J11.18 J11.19 J11.20 J11.21 J11.22 J11.23 J11.24 J11.25 J11.26 J11.27 J11.28 J11.31 J11.32 J11.33 J11.34 J11.35 J11.36 J11.37 J11.38 J11.39 J11.40 J12. J12.A2 J12.A3 J12.A8 J12.A10 J12.A11 J12.B2 J12.B3 J12.B6 J12.B7 J12.B8 J12.B10 J12.B11 U2.20 U2.21 U2.45 U13.8 U15.4

## Polygon pours and split planes (outlines as drawn)
GND on Mid Layer 1 "NONET_L01_P-001" (solid, pour order 0): 0,3330 0,0 2420,0 2420,3330
GND on Mid Layer 2 "NONET_L01_P-001" (solid, pour order 1): 0,3330 0,0 2420,0 2420,3330
5V on Bottom Layer "NONET_L01_P-001" (solid, remove dead copper, pour order 2): 0,3330 0,0 2420,0 2420,3330
3V3 on Top Layer "NONET_L01_P-001" (solid, remove dead copper, pour order 4): 0,3330 0,0 2420,0 2420,3330

## Keep-outs
Keep-Out Layer:
  lines w1: 0,0 0,3330 2420,3330 2420,0 0,0 ; 937.01,130 cw(c1000,130) 1000,192.99 cw(c1000,130) 1062.99,130 cw(c1000,130) 1000,67.01 cw(c1000,130) 937.01,130 ; 2227.01,3200 cw(c2290,3200) 2290,3262.99 cw(c2290,3200) 2352.99,3200 cw(c2290,3200) 2290,3137.01 cw(c2290,3200) 2227.01,3200

## Other copper
Top Layer:
  pour cut-out: 670,2400 939,2400 939,2670 670,2670
Bottom Layer:
  region net 9V: 587.5,1217.5 602.5,1202.5 1110,1202.5 1110,1187.5 572.5,1187.5 523.74,1187.5 523.74,1202.5 557.5,1202.5 572.5,1217.5 572.5,1423.74 587.5,1423.74

## Silkscreen, mask and mechanical layers (free items; w line width, h text height)
Top Overlay:
  drawing of 53 lines, arcs and shapes, not listed
  text "LaserDrop Rev. A / KJ Newman 2/28/2023" at 1153,36 h60